# KiCad board ciaa_acc.kicad_pcb (continued)
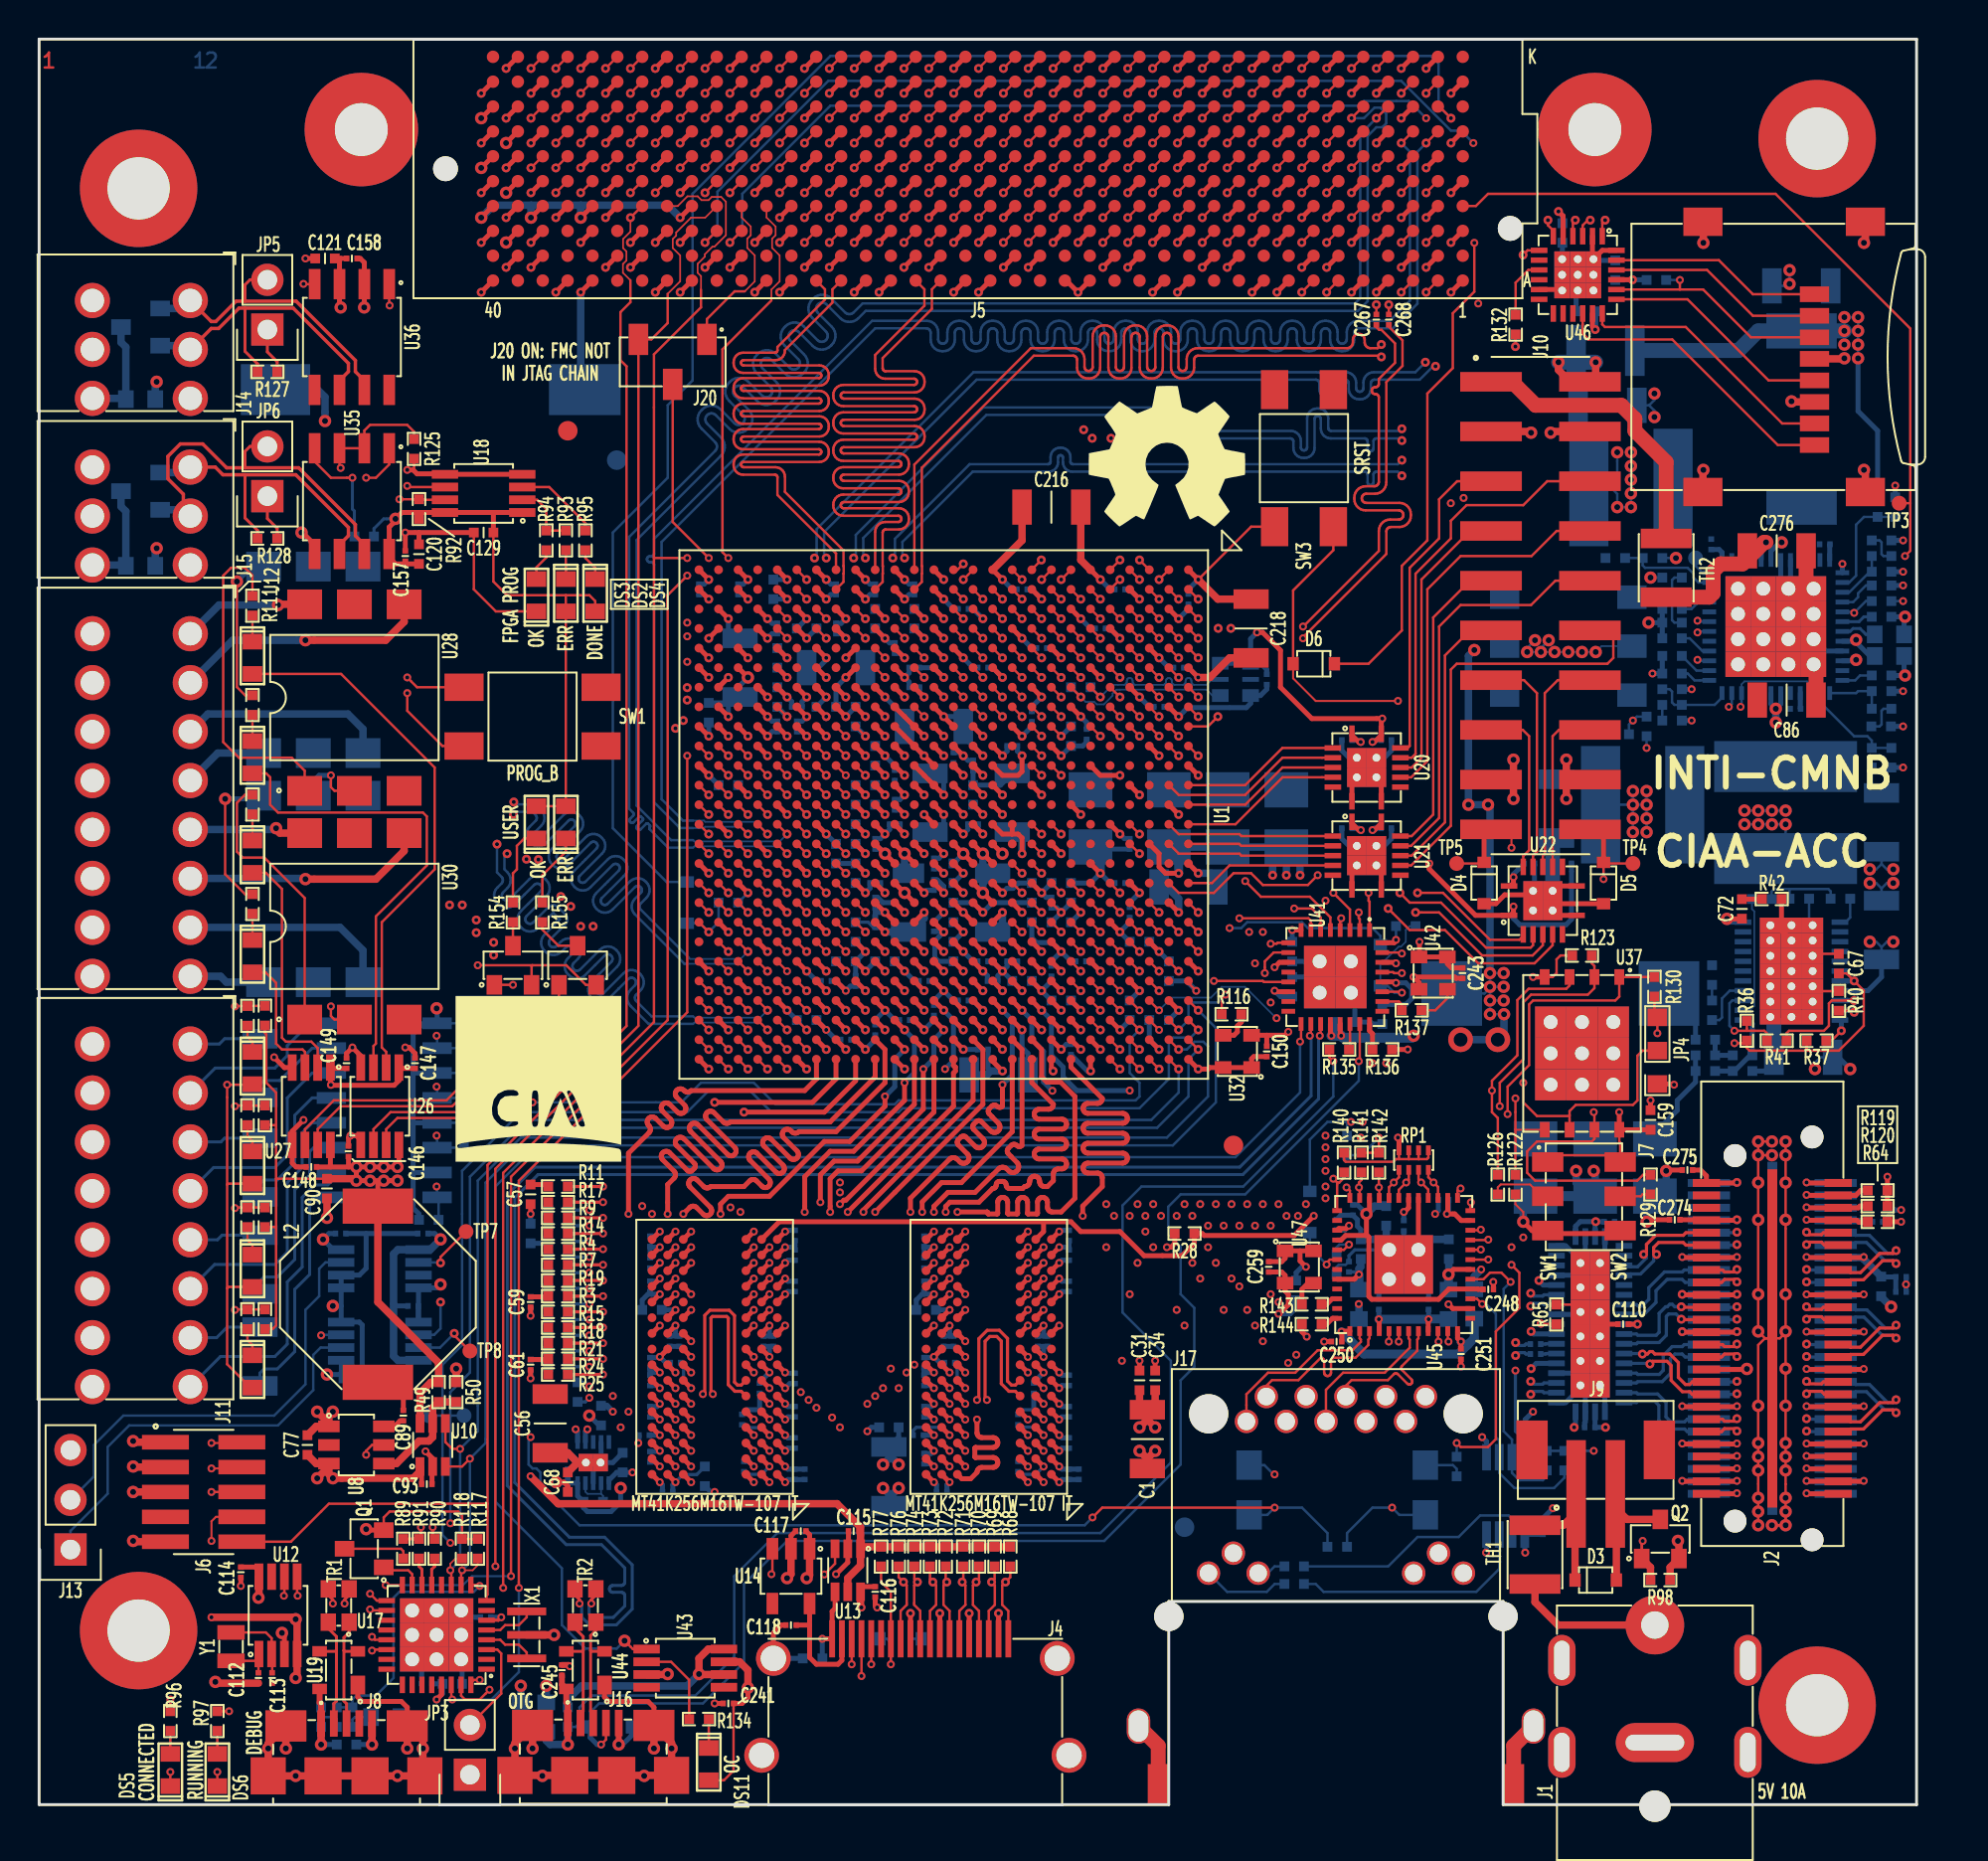
[diagram p0: board, top side]
## Routing (per net, layer and track width the routed paths; a pad name or vN(x,y) marks a point on that pad's centre or on a via; arc(x,y) is an arc through that point) (continued)
  TOP_L1.Sig w0.127: U1.AE15 v2(35.2,48.57) ; v2(32.74,86.13) 33.33,86.73 J5.H32
  L5.Sig w0.089: v2(35.2,48.57) 34.82,48.19 33.3,48.19 33.28,48.21 32.78,48.21 32.72,48.2 32.66,48.18 32.6,48.15 32.56,48.1 32.52,48.05 32.5,47.99 32.5,47.92 32.5,47.77 32.49,47.76 32.49,47.75 32.47,47.74 32.47,47.74 32.2,47.74 32.19,47.74 32.18,47.75 32.18,47.76 32.17,47.77 32.17,49.67 32.16,49.76 32.13,49.85 32.08,49.93 32.02,49.99 31.94,50.04 31.85,50.07 31.76,50.08 31.71,50.08 31.62,50.07 31.53,50.04 31.45,49.99 31.39,49.93 31.34,49.85 31.31,49.76 31.3,49.67 31.3,47.77 31.29,47.76 31.29,47.75 31.27,47.74 31.27,47.74 31,47.74 30.99,47.74 30.98,47.75 30.98,47.76 30.97,47.77 30.97,49.67 30.96,49.76 30.93,49.85 30.88,49.93 30.82,49.99 30.74,50.04 30.65,50.07 30.56,50.08 30.51,50.08 30.42,50.07 30.33,50.04 30.25,49.99 30.19,49.93 30.14,49.85 30.11,49.76 30.1,49.67 30.1,47.77 30.09,47.76 30.09,47.75 30.07,47.74 30.07,47.74 29.8,47.74 29.79,47.74 29.78,47.75 29.78,47.76 29.77,47.77 29.77,49.67 29.76,49.76 29.73,49.85 29.68,49.93 29.62,49.99 29.54,50.04 29.45,50.07 29.36,50.08 29.31,50.08 29.22,50.07 29.13,50.04 29.05,49.99 28.99,49.93 28.94,49.85 28.91,49.76 28.9,49.67 28.9,47.77 28.89,47.76 28.89,47.75 28.87,47.74 28.87,47.74 28.6,47.74 28.59,47.74 28.58,47.75 28.58,47.76 28.57,47.77 28.57,49.67 28.56,49.76 28.53,49.85 28.48,49.93 28.42,49.99 28.34,50.04 28.25,50.07 28.16,50.08 28.11,50.08 28.02,50.07 27.93,50.04 27.85,49.99 27.79,49.93 27.74,49.85 27.71,49.76 27.7,49.67 27.7,48.07 27.69,48.07 27.69,47.77 27.68,47.76 27.68,47.75 27.67,47.74 27.66,47.74 27.39,47.74 27.38,47.74 27.37,47.75 27.37,47.76 27.37,47.77 27.37,47.92 27.36,47.99 27.34,48.05 27.3,48.1 27.26,48.15 27.2,48.18 27.14,48.2 27.08,48.21 26.94,48.21 26.77,48.04 25.53,48.04 25.5,48.07 v2(25.5,48.27)
  L10.Sig w0.089: v2(32.74,86.13) 33.23,85.64 33.23,74.51 32.3,73.57 28.49,73.57 22.44,67.52 22.44,48.61 23.41,47.64 24.87,47.64 v2(25.5,48.27)
/Principal/BANKS_HR/FMC_LA_28_P: length 77.7
  TOP_L1.Sig w0.127: v2(34.01,86.13) 34.6,86.73 J5.H31 ; U1.AE16 v2(35.2,47.57)
  L5.Sig w0.089: v2(24.89,48.29) 25.42,47.76 26.89,47.76 27.06,47.93 27.07,47.93 27.08,47.92 27.09,47.91 27.09,47.91 27.09,47.75 27.09,47.68 27.11,47.62 27.15,47.57 27.19,47.52 27.25,47.49 27.31,47.47 27.37,47.46 27.68,47.46 27.74,47.47 27.8,47.49 27.86,47.52 27.9,47.57 27.94,47.62 27.96,47.68 27.97,47.75 27.97,48.07 27.97,48.07 27.97,49.64 27.98,49.68 27.99,49.71 28.01,49.74 28.03,49.77 28.07,49.79 28.1,49.8 28.13,49.8 28.17,49.8 28.2,49.79 28.23,49.77 28.26,49.74 28.28,49.71 28.29,49.68 28.3,49.64 28.3,47.75 28.3,47.68 28.32,47.62 28.36,47.57 28.4,47.52 28.46,47.49 28.52,47.47 28.58,47.46 28.89,47.46 28.95,47.47 29.01,47.49 29.07,47.52 29.11,47.57 29.15,47.62 29.17,47.68 29.17,47.75 29.17,49.64 29.18,49.68 29.19,49.71 29.21,49.74 29.23,49.77 29.27,49.79 29.3,49.8 29.33,49.8 29.37,49.8 29.4,49.79 29.43,49.77 29.46,49.74 29.48,49.71 29.49,49.68 29.5,49.64 29.5,47.75 29.5,47.68 29.52,47.62 29.56,47.57 29.6,47.52 29.66,47.49 29.72,47.47 29.78,47.46 30.09,47.46 30.15,47.47 30.21,47.49 30.27,47.52 30.31,47.57 30.35,47.62 30.37,47.68 30.37,47.75 30.37,49.64 30.38,49.68 30.39,49.71 30.41,49.74 30.43,49.77 30.47,49.79 30.5,49.8 30.53,49.8 30.57,49.8 30.6,49.79 30.63,49.77 30.66,49.74 30.68,49.71 30.69,49.68 30.7,49.64 30.7,47.75 30.7,47.68 30.72,47.62 30.76,47.57 30.8,47.52 30.86,47.49 30.92,47.47 30.98,47.46 31.29,47.46 31.35,47.47 31.41,47.49 31.47,47.52 31.51,47.57 31.55,47.62 31.57,47.68 31.57,47.75 31.57,49.64 31.58,49.68 31.59,49.71 31.61,49.74 31.63,49.77 31.67,49.79 31.7,49.8 31.73,49.8 31.77,49.8 31.8,49.79 31.83,49.77 31.86,49.74 31.88,49.71 31.89,49.68 31.9,49.64 31.9,47.75 31.9,47.68 31.92,47.62 31.96,47.57 32,47.52 32.06,47.49 32.12,47.47 32.18,47.46 32.49,47.46 32.55,47.47 32.61,47.49 32.67,47.52 32.71,47.57 32.75,47.62 32.77,47.68 32.77,47.75 32.77,47.91 32.78,47.92 32.78,47.93 32.79,47.93 32.8,47.93 33.29,47.93 33.3,47.95 34.82,47.95 v2(35.2,47.57)
  L10.Sig w0.089: v2(24.89,48.29) 24.89,48.03 24.78,47.92 23.52,47.92 22.72,48.73 22.72,67.41 28.6,73.29 32.41,73.29 33.51,74.39 33.51,75.78 33.52,75.82 33.53,75.86 33.55,75.89 33.58,75.92 33.61,75.94 33.65,75.95 33.69,75.96 33.71,75.96 33.75,75.96 33.78,75.97 33.82,76 33.84,76.02 33.87,76.06 33.88,76.09 33.88,76.13 33.88,76.17 33.87,76.21 33.84,76.24 33.82,76.27 33.78,76.29 33.75,76.3 33.71,76.31 33.69,76.31 33.65,76.31 33.61,76.32 33.58,76.35 33.55,76.37 33.53,76.41 33.52,76.44 33.51,76.48 33.51,85.64 v2(34.01,86.13)
/Principal/BANKS_HR/FMC_LA_29_N: length 77.7
  TOP_L1.Sig w0.127: U1.AB20 v2(38.2,43.57) ; v2(34.01,84.86) 34.6,85.46 J5.G31
  L10.Sig w0.089: v2(38.2,43.57) 37.83,43.94 33.81,43.94 33.8,43.93 32.95,43.93 32.88,43.94 32.82,43.96 32.77,43.99 32.72,44.04 32.69,44.09 32.67,44.15 32.66,44.22 32.66,44.37 32.66,44.38 32.65,44.39 32.64,44.4 32.63,44.4 32.36,44.4 32.35,44.4 32.34,44.39 32.34,44.38 32.34,44.37 32.34,41.78 32.33,41.68 32.3,41.6 32.25,41.52 32.18,41.45 32.1,41.4 32.02,41.37 31.92,41.36 31.87,41.36 31.78,41.37 31.69,41.4 31.62,41.45 31.55,41.52 31.5,41.6 31.47,41.68 31.46,41.78 31.46,43.77 31.46,43.81 31.44,43.84 31.42,43.87 31.4,43.9 31.37,43.91 31.33,43.93 31.3,43.93 31.18,43.93 29.94,45.18 29.91,45.2 29.88,45.21 29.84,45.22 29.81,45.22 29.77,45.21 29.74,45.2 29.71,45.18 29.4,44.86 29.32,44.8 29.24,44.76 29.15,44.74 29.06,44.74 28.97,44.76 28.88,44.8 28.81,44.86 28.78,44.9 28.72,44.97 28.68,45.05 28.66,45.14 28.66,45.24 28.68,45.33 28.72,45.41 28.78,45.48 29.09,45.8 29.11,45.83 29.13,45.86 29.14,45.89 29.14,45.93 29.13,45.96 29.11,46 29.09,46.02 29.06,46.05 29.03,46.06 28.99,46.07 28.96,46.07 28.92,46.06 28.89,46.05 28.86,46.02 28.41,45.57 28.33,45.51 28.25,45.47 28.16,45.45 28.07,45.45 27.98,45.47 27.89,45.51 27.82,45.57 27.79,45.6 27.73,45.68 27.69,45.76 27.67,45.85 27.67,45.94 27.69,46.03 27.73,46.12 27.79,46.19 28.24,46.65 28.26,46.67 28.28,46.71 28.29,46.74 28.29,46.78 28.28,46.81 28.26,46.84 28.24,46.87 28.21,46.9 28.18,46.91 28.15,46.92 28.11,46.92 28.07,46.91 28.04,46.9 28.01,46.87 27.66,46.52 27.59,46.47 27.51,46.43 27.42,46.4 27.33,46.4 27.23,46.43 27.15,46.47 27.08,46.52 27.04,46.56 26.99,46.63 26.94,46.72 26.92,46.81 26.92,46.9 26.94,46.99 26.99,47.07 27.04,47.15 27.39,47.49 27.41,47.52 27.43,47.55 27.44,47.59 27.44,47.63 27.43,47.66 27.41,47.69 27.39,47.72 27.36,47.74 27.33,47.76 27.3,47.77 27.26,47.77 27.23,47.76 27.19,47.74 27.17,47.72 25.93,46.49 25.86,46.43 25.78,46.39 25.69,46.37 25.59,46.37 25.5,46.39 25.42,46.43 25.35,46.49 25.31,46.52 25.25,46.6 25.21,46.68 25.19,46.77 25.19,46.86 25.21,46.95 25.25,47.04 25.31,47.11 26.54,48.34 26.57,48.37 26.58,48.4 26.59,48.44 26.59,48.47 26.58,48.51 26.57,48.54 26.54,48.57 26.39,48.73 26.38,48.73 26.37,48.74 26.36,48.74 26.35,48.74 26.34,48.74 26.33,48.73 26.32,48.73 26.2,48.61 26.15,48.57 26.09,48.54 26.02,48.53 25.95,48.53 25.88,48.54 25.82,48.57 25.77,48.61 25.58,48.8 25.54,48.85 25.51,48.91 25.49,48.98 25.49,49.05 25.51,49.12 25.54,49.18 25.58,49.24 25.7,49.35 25.7,49.36 25.71,49.37 25.71,49.38 25.71,49.39 25.71,49.4 25.7,49.41 25.7,49.42 24.04,49.42 23.2,50.26 23.2,67.14 28.87,72.81 33.57,72.81 33.88,73.12 33.91,73.16 33.93,73.2 33.94,73.24 33.94,73.29 33.93,73.33 33.91,73.37 33.88,73.41 33.81,73.47 33.79,73.51 33.77,73.55 33.76,73.59 33.76,73.63 33.77,73.68 33.79,73.72 33.81,73.75 33.85,73.78 33.89,73.8 33.93,73.81 33.98,73.81 34.02,73.8 34.06,73.78 34.1,73.75 34.16,73.69 34.2,73.66 34.24,73.64 34.28,73.63 34.33,73.63 34.37,73.64 34.41,73.66 34.45,73.69 34.5,73.75 34.5,84.37 v2(34.01,84.86)
/Principal/BANKS_HR/FMC_LA_29_P: length 77.7
  TOP_L1.Sig w0.127: U1.AA20 v2(39.2,43.57) ; J5.G30 35.87,85.46 v2(35.28,84.86)
  L10.Sig w0.089: v2(39.2,43.57) 38.58,44.19 33.82,44.19 33.8,44.21 32.96,44.21 32.95,44.21 32.94,44.22 32.94,44.23 32.94,44.23 32.94,44.39 32.93,44.46 32.91,44.52 32.88,44.57 32.83,44.62 32.78,44.65 32.72,44.67 32.65,44.68 32.35,44.68 32.28,44.67 32.22,44.65 32.17,44.62 32.12,44.57 32.09,44.52 32.07,44.46 32.06,44.39 32.06,41.8 32.06,41.77 32.04,41.73 32.02,41.7 32,41.68 31.97,41.66 31.93,41.65 31.9,41.64 31.86,41.65 31.83,41.66 31.8,41.68 31.77,41.7 31.75,41.73 31.74,41.77 31.74,41.8 31.74,43.8 31.73,43.89 31.7,43.98 31.65,44.05 31.58,44.12 31.5,44.17 31.42,44.2 31.32,44.21 31.3,44.21 30.12,45.39 30.04,45.45 29.96,45.49 29.87,45.51 29.78,45.51 29.69,45.49 29.6,45.45 29.53,45.39 29.22,45.08 29.19,45.05 29.16,45.04 29.12,45.03 29.09,45.03 29.05,45.04 29.02,45.05 28.99,45.08 28.97,45.11 28.95,45.14 28.94,45.17 28.94,45.21 28.95,45.24 28.97,45.28 28.99,45.3 29.3,45.62 29.36,45.69 29.4,45.77 29.42,45.86 29.42,45.96 29.4,46.05 29.36,46.13 29.3,46.2 29.27,46.24 29.2,46.3 29.11,46.34 29.02,46.36 28.93,46.36 28.84,46.34 28.76,46.3 28.68,46.24 28.23,45.78 28.2,45.76 28.17,45.75 28.13,45.74 28.1,45.74 28.06,45.75 28.03,45.76 28,45.78 27.98,45.81 27.96,45.84 27.95,45.88 27.95,45.92 27.96,45.95 27.98,45.98 28,46.01 28.46,46.47 28.51,46.54 28.55,46.62 28.57,46.71 28.57,46.81 28.55,46.9 28.51,46.98 28.46,47.05 28.42,47.09 28.35,47.15 28.26,47.19 28.17,47.21 28.08,47.21 27.99,47.19 27.91,47.15 27.83,47.09 27.49,46.74 27.46,46.72 27.42,46.7 27.39,46.69 27.35,46.69 27.32,46.7 27.29,46.72 27.26,46.74 27.24,46.77 27.22,46.8 27.21,46.83 27.21,46.87 27.22,46.91 27.24,46.94 27.26,46.97 27.61,47.31 27.67,47.39 27.71,47.47 27.73,47.56 27.73,47.65 27.71,47.74 27.67,47.83 27.61,47.9 27.57,47.94 27.5,47.99 27.42,48.03 27.33,48.06 27.23,48.06 27.14,48.03 27.06,47.99 26.99,47.94 25.75,46.7 25.72,46.68 25.69,46.67 25.66,46.66 25.62,46.66 25.59,46.67 25.55,46.68 25.53,46.7 25.5,46.73 25.49,46.76 25.48,46.8 25.48,46.83 25.49,46.87 25.5,46.9 25.53,46.93 26.76,48.16 26.82,48.24 26.86,48.32 26.88,48.41 26.88,48.5 26.86,48.59 26.82,48.68 26.76,48.75 26.57,48.94 26.52,48.98 26.45,49.01 26.39,49.03 26.32,49.03 26.25,49.01 26.19,48.98 26.13,48.94 26.02,48.82 26.01,48.82 26,48.81 25.99,48.81 25.98,48.81 25.97,48.81 25.96,48.82 25.95,48.82 25.79,48.98 25.79,48.99 25.78,49 25.78,49.01 25.78,49.02 25.78,49.03 25.79,49.04 25.79,49.05 25.91,49.16 25.95,49.22 25.98,49.28 26,49.35 26,49.42 25.98,49.49 25.95,49.55 25.91,49.6 25.81,49.7 24.16,49.7 23.48,50.38 23.48,67.03 28.99,72.53 33.68,72.53 34.78,73.63 34.78,84.37 v2(35.28,84.86)
/Principal/BANKS_HR/FMC_LA_30_N: length 77.7
  TOP_L1.Sig w0.127: J5.H35 29.52,86.73 v2(28.93,86.13) ; U1.AD15 v2(36.2,48.57)
  L3.Sig w0.089: v2(36.2,48.57) 35.82,48.19 33.9,48.19 33.88,48.21 30.56,48.21 29.98,47.63 29.92,47.56 29.88,47.48 29.86,47.39 29.86,47.29 29.88,47.2 29.92,47.12 29.98,47.05 30.37,46.66 30.4,46.63 30.41,46.59 30.42,46.56 30.42,46.52 30.41,46.49 30.4,46.46 30.37,46.43 30.35,46.41 30.31,46.39 30.28,46.38 30.24,46.38 30.21,46.39 30.18,46.41 30.15,46.43 26.76,49.81 26.69,49.87 26.61,49.91 26.52,49.93 26.42,49.93 26.33,49.91 26.25,49.87 26.18,49.81 26.14,49.78 26.08,49.7 26.04,49.62 26.02,49.53 26.02,49.44 26.04,49.35 26.08,49.26 26.14,49.19 29.53,45.81 29.55,45.78 29.56,45.75 29.57,45.71 29.57,45.68 29.56,45.64 29.55,45.61 29.53,45.58 29.5,45.56 29.47,45.54 29.43,45.53 29.39,45.53 29.36,45.54 29.33,45.56 29.3,45.58 28.91,45.97 28.83,46.03 28.75,46.07 28.66,46.09 28.57,46.09 28.48,46.07 28.39,46.03 28.32,45.97 27.84,45.49 27.84,45.04 v2(27.66,44.86)
  L10.Sig w0.089: v2(27.66,44.86) 27.54,44.97 23.79,44.97 20.91,47.85 20.91,68.41 27.6,75.1 28.62,75.1 29.42,75.9 29.42,75.94 29.41,75.97 29.39,76 29.36,76.03 29.33,76.05 29.3,76.06 29.26,76.07 28,76.07 27.91,76.08 27.82,76.11 27.74,76.16 27.67,76.22 27.62,76.3 27.59,76.39 27.58,76.48 27.58,76.53 27.59,76.62 27.62,76.71 27.67,76.79 27.74,76.85 27.82,76.9 27.91,76.93 28,76.94 29.26,76.94 29.3,76.95 29.33,76.96 29.36,76.98 29.39,77 29.41,77.04 29.42,77.07 29.42,77.1 29.42,85.64 v2(28.93,86.13)
/Principal/BANKS_HR/FMC_LA_30_P: length 77.7
  TOP_L1.Sig w0.127: v2(30.2,86.13) 30.79,86.73 J5.H34 ; U1.AD16 v2(36.2,47.57)
  L3.Sig w0.089: v2(28.29,44.86) 28.12,45.04 28.12,45.37 28.5,45.76 28.53,45.78 28.56,45.8 28.6,45.8 28.63,45.8 28.67,45.8 28.7,45.78 28.73,45.76 29.12,45.36 29.19,45.31 29.28,45.27 29.37,45.25 29.46,45.25 29.55,45.27 29.63,45.31 29.71,45.36 29.74,45.4 29.8,45.47 29.84,45.56 29.86,45.65 29.86,45.74 29.84,45.83 29.8,45.91 29.74,45.99 26.36,49.37 26.33,49.4 26.32,49.43 26.31,49.47 26.31,49.5 26.32,49.54 26.33,49.57 26.36,49.6 26.39,49.62 26.42,49.64 26.45,49.64 26.49,49.64 26.52,49.64 26.56,49.62 26.58,49.6 29.97,46.21 30.04,46.16 30.12,46.11 30.21,46.09 30.31,46.09 30.4,46.11 30.48,46.16 30.55,46.21 30.59,46.25 30.65,46.32 30.69,46.41 30.71,46.5 30.71,46.59 30.69,46.68 30.65,46.76 30.59,46.83 30.2,47.23 30.17,47.26 30.16,47.29 30.15,47.32 30.15,47.36 30.16,47.39 30.17,47.43 30.2,47.45 30.67,47.93 33.88,47.93 33.9,47.95 35.82,47.95 v2(36.2,47.57)
  L10.Sig w0.089: v2(30.2,86.13) 29.7,85.64 29.7,77.08 29.69,76.99 29.66,76.9 29.61,76.82 29.55,76.76 29.47,76.71 29.38,76.68 29.29,76.67 28.02,76.67 27.99,76.66 27.95,76.65 27.92,76.63 27.9,76.6 27.88,76.57 27.87,76.54 27.86,76.5 27.87,76.47 27.88,76.44 27.9,76.4 27.92,76.38 27.95,76.36 27.99,76.35 28.02,76.34 29.29,76.34 29.38,76.33 29.47,76.3 29.55,76.25 29.61,76.19 29.66,76.11 29.69,76.02 29.7,75.93 29.7,75.79 29.51,75.59 29.5,75.58 29.49,75.56 29.48,75.54 29.48,75.53 29.49,75.51 29.5,75.49 29.52,75.46 29.53,75.45 29.53,75.43 29.53,75.41 29.53,75.39 29.52,75.37 29.51,75.36 29.5,75.35 29.48,75.34 29.47,75.33 29.45,75.33 29.43,75.33 29.41,75.33 29.4,75.34 29.37,75.36 29.35,75.37 29.33,75.37 29.31,75.37 29.3,75.37 29.28,75.36 29.26,75.35 28.73,74.82 27.72,74.82 21.19,68.3 21.19,47.96 23.91,45.25 27.9,45.25 v2(28.29,44.86)
/Principal/BANKS_HR/FMC_LA_31_N: length 77.7
  TOP_L1.Sig w0.127: U1.AD19 v2(36.2,44.57) ; J5.G34 30.79,85.46 v2(30.2,84.86)
  L5.Sig w0.089: v2(27.15,45.88) 28.15,45.88 29.1,44.93 29.3,44.93 29.34,44.93 29.37,44.91 29.4,44.9 29.43,44.87 29.44,44.84 29.46,44.81 29.46,44.77 29.46,43.76 29.47,43.67 29.5,43.58 29.55,43.5 29.62,43.44 29.69,43.39 29.78,43.36 29.87,43.35 29.93,43.35 30.02,43.36 30.11,43.39 30.18,43.44 30.25,43.5 30.3,43.58 30.33,43.67 30.34,43.76 30.34,46.25 30.34,46.29 30.36,46.32 30.37,46.35 30.4,46.38 30.43,46.4 30.46,46.41 30.5,46.41 30.54,46.41 30.57,46.4 30.6,46.38 30.63,46.35 30.64,46.32 30.66,46.29 30.66,46.25 30.66,43.76 30.67,43.67 30.7,43.58 30.75,43.5 30.82,43.44 30.89,43.39 30.98,43.36 31.07,43.35 31.13,43.35 31.22,43.36 31.31,43.39 31.38,43.44 31.45,43.5 31.5,43.58 31.53,43.67 31.54,43.76 31.54,46.25 31.54,46.29 31.56,46.32 31.57,46.35 31.6,46.38 31.63,46.4 31.66,46.41 31.7,46.41 31.74,46.41 31.77,46.4 31.8,46.38 31.83,46.35 31.84,46.32 31.86,46.29 31.86,46.25 31.86,43.76 31.87,43.67 31.9,43.58 31.95,43.5 32.02,43.44 32.09,43.39 32.18,43.36 32.27,43.35 32.33,43.35 32.42,43.36 32.51,43.39 32.58,43.44 32.65,43.5 32.7,43.58 32.73,43.67 32.74,43.76 32.74,44.77 32.74,44.81 32.76,44.84 32.77,44.87 32.8,44.9 32.83,44.91 32.86,44.93 32.9,44.93 33.5,44.93 33.52,44.95 35.82,44.95 v2(36.2,44.57)
  L10.Sig w0.089: v2(30.2,84.86) 30.69,84.37 30.69,76.94 30.69,76.91 30.68,76.87 30.66,76.84 30.63,76.82 30.6,76.8 30.57,76.79 30.53,76.78 30.32,76.78 30.23,76.77 30.14,76.74 30.06,76.69 29.99,76.63 29.94,76.55 29.91,76.46 29.9,76.37 29.9,76.32 29.91,76.23 29.94,76.14 29.99,76.06 30.06,75.99 30.14,75.94 30.23,75.91 30.32,75.9 32.37,75.9 32.41,75.9 32.44,75.89 32.47,75.87 32.5,75.84 32.52,75.81 32.53,75.78 32.53,75.74 32.53,75.71 32.52,75.67 32.5,75.64 32.47,75.62 32.44,75.6 32.41,75.59 32.37,75.58 31.11,75.58 31.02,75.57 30.93,75.54 30.85,75.49 30.78,75.43 30.73,75.35 30.7,75.26 30.69,75.17 30.69,75.14 29.89,74.34 28.11,74.34 21.68,67.9 21.68,48.23 24.04,45.86 27.14,45.86 v2(27.15,45.88)
/Principal/BANKS_HR/FMC_LA_31_P: length 77.7
  TOP_L1.Sig w0.127: v2(31.47,84.86) 32.06,85.46 J5.G33 ; U1.AD18 v2(36.2,45.57)
  L5.Sig w0.089: v2(36.2,45.57) 35.82,45.19 33.52,45.19 33.5,45.21 32.87,45.21 32.78,45.2 32.69,45.17 32.62,45.12 32.55,45.05 32.5,44.98 32.47,44.89 32.46,44.8 32.46,43.79 32.46,43.75 32.44,43.72 32.43,43.69 32.4,43.66 32.37,43.64 32.34,43.63 32.3,43.63 32.26,43.63 32.23,43.64 32.2,43.66 32.17,43.69 32.16,43.72 32.14,43.75 32.14,43.79 32.14,46.28 32.13,46.37 32.1,46.46 32.05,46.54 31.98,46.6 31.91,46.65 31.82,46.68 31.73,46.69 31.67,46.69 31.58,46.68 31.49,46.65 31.42,46.6 31.35,46.54 31.3,46.46 31.27,46.37 31.26,46.28 31.26,43.79 31.26,43.75 31.24,43.72 31.23,43.69 31.2,43.66 31.17,43.64 31.14,43.63 31.1,43.63 31.06,43.63 31.03,43.64 31,43.66 30.97,43.69 30.96,43.72 30.94,43.75 30.94,43.79 30.94,46.28 30.93,46.37 30.9,46.46 30.85,46.54 30.78,46.6 30.71,46.65 30.62,46.68 30.53,46.69 30.47,46.69 30.38,46.68 30.29,46.65 30.22,46.6 30.15,46.54 30.1,46.46 30.07,46.37 30.06,46.28 30.06,43.79 30.06,43.75 30.04,43.72 30.03,43.69 30,43.66 29.97,43.64 29.94,43.63 29.9,43.63 29.86,43.63 29.83,43.64 29.8,43.66 29.77,43.69 29.76,43.72 29.74,43.75 29.74,43.79 29.74,44.8 29.73,44.89 29.7,44.98 29.65,45.05 29.58,45.12 29.51,45.17 29.42,45.2 29.33,45.21 29.21,45.21 28.28,46.14 27.52,46.14 27.28,46.38 v2(26.64,46.38)
  L10.Sig w0.089: v2(31.47,84.86) 30.97,84.37 30.97,76.92 30.96,76.83 30.93,76.74 30.88,76.66 30.82,76.59 30.74,76.54 30.65,76.51 30.56,76.5 30.34,76.5 30.31,76.5 30.27,76.49 30.24,76.47 30.22,76.44 30.2,76.41 30.19,76.38 30.18,76.34 30.19,76.31 30.2,76.27 30.22,76.24 30.24,76.22 30.27,76.2 30.31,76.19 30.34,76.18 32.4,76.18 32.49,76.17 32.58,76.14 32.66,76.09 32.72,76.03 32.77,75.95 32.8,75.86 32.81,75.77 32.81,75.72 32.8,75.63 32.77,75.54 32.72,75.46 32.66,75.39 32.58,75.34 32.49,75.31 32.4,75.3 31.13,75.3 31.1,75.3 31.06,75.29 31.03,75.27 31.01,75.24 30.99,75.21 30.98,75.18 30.97,75.14 30.97,75.03 30.83,74.89 30.82,74.87 30.81,74.85 30.8,74.83 30.8,74.81 30.81,74.78 30.82,74.76 30.83,74.75 30.85,74.73 30.86,74.71 30.87,74.69 30.88,74.67 30.88,74.65 30.87,74.63 30.86,74.61 30.85,74.59 30.83,74.57 30.81,74.56 30.79,74.56 30.77,74.56 30.75,74.56 30.73,74.57 30.71,74.59 30.69,74.6 30.67,74.62 30.65,74.63 30.63,74.63 30.61,74.63 30.59,74.63 30.57,74.62 30.55,74.6 30,74.06 28.22,74.06 21.96,67.79 21.96,48.35 24.16,46.14 26.4,46.14 v2(26.64,46.38)
/Principal/BANKS_HR/FMC_LA_32_N: length 77.7
  TOP_L1.Sig w0.127: J5.H38 25.71,86.73 v2(25.12,86.13) ; U1.AC19 v2(37.2,44.57)
  L3.Sig w0.089: v2(23.21,43.39) 23.4,43.58 25.31,43.58 25.7,43.2 30.64,43.2 32.37,44.93 33.98,44.93 34,44.95 36.82,44.95 v2(37.2,44.57)
  L10.Sig w0.089: v2(23.21,43.39) 23.03,43.58 21,43.58 19.39,45.18 19.39,71.74 20.05,72.4 20.12,72.45 20.2,72.49 20.29,72.51 20.38,72.51 20.47,72.49 20.55,72.45 20.62,72.4 20.76,72.26 20.79,72.23 20.82,72.22 20.86,72.21 20.9,72.21 20.94,72.22 20.97,72.23 21,72.26 21.03,72.29 21.05,72.32 21.05,72.36 21.05,72.4 21.05,72.44 21.03,72.47 21,72.51 20.32,73.19 20.26,73.26 20.22,73.34 20.2,73.43 20.2,73.52 20.22,73.61 20.26,73.69 20.32,73.76 20.35,73.79 20.42,73.85 20.5,73.89 20.59,73.91 20.68,73.91 20.77,73.89 20.85,73.85 20.92,73.79 21.6,73.11 21.63,73.08 21.67,73.06 21.71,73.06 21.75,73.06 21.79,73.06 21.82,73.08 21.85,73.11 21.88,73.14 21.89,73.17 21.9,73.21 21.9,73.25 21.89,73.29 21.88,73.32 21.85,73.35 21.17,74.04 21.11,74.11 21.07,74.19 21.05,74.28 21.05,74.37 21.07,74.45 21.11,74.54 21.17,74.61 21.2,74.64 21.27,74.7 21.35,74.73 21.44,74.75 21.53,74.75 21.62,74.73 21.7,74.7 21.77,74.64 22.45,73.95 22.48,73.93 22.52,73.91 22.56,73.9 22.6,73.9 22.63,73.91 22.67,73.93 22.7,73.95 22.73,73.98 22.74,74.02 22.75,74.06 22.75,74.1 22.74,74.14 22.73,74.17 22.7,74.2 22.01,74.89 21.96,74.96 21.92,75.04 21.9,75.13 21.9,75.22 21.92,75.3 21.96,75.38 22.01,75.45 22.05,75.49 22.12,75.54 22.2,75.58 22.29,75.6 22.38,75.6 22.46,75.58 22.55,75.54 22.62,75.49 23.3,74.8 23.33,74.78 23.37,74.76 23.41,74.75 23.44,74.75 23.48,74.76 23.52,74.78 23.55,74.8 23.57,74.83 23.59,74.87 23.6,74.91 23.6,74.95 23.59,74.98 23.57,75.02 23.55,75.05 22.86,75.74 22.81,75.81 22.77,75.89 22.75,75.97 22.75,76.06 22.77,76.15 22.81,76.23 22.86,76.3 22.9,76.34 22.97,76.39 23.05,76.43 23.14,76.45 23.23,76.45 23.31,76.43 23.39,76.39 23.46,76.34 24.15,75.65 24.18,75.63 24.22,75.61 24.25,75.6 24.29,75.6 24.33,75.61 24.37,75.63 24.4,75.65 24.42,75.68 24.44,75.72 24.45,75.76 24.45,75.79 24.44,75.83 24.42,75.87 24.4,75.9 23.71,76.59 23.66,76.66 23.62,76.74 23.6,76.82 23.6,76.91 23.62,77 23.66,77.08 23.71,77.15 23.75,77.19 23.82,77.24 23.9,77.28 23.98,77.3 24.07,77.3 24.16,77.28 24.24,77.24 24.31,77.19 24.45,77.05 24.48,77.02 24.52,77 24.56,77 24.6,77 24.63,77 24.67,77.02 24.7,77.05 25.61,77.96 25.61,85.64 v2(25.12,86.13)
/Principal/BANKS_HR/FMC_LA_32_P: length 77.7
  TOP_L1.Sig w0.127: U1.AC18 v2(37.2,45.57) ; v2(26.39,86.13) 26.98,86.73 J5.H37
  L3.Sig w0.089: v2(37.2,45.57) 36.82,45.19 34,45.19 33.98,45.21 32.26,45.21 30.52,43.47 25.81,43.47 25.43,43.86 23.4,43.86 v2(23.21,44.04)
  L10.Sig w0.089: v2(26.39,86.13) 25.89,85.64 25.89,77.89 25.63,77.62 25.6,77.59 25.58,77.55 25.58,77.52 25.58,77.48 25.58,77.44 25.6,77.4 25.63,77.37 25.65,77.35 25.67,77.32 25.69,77.28 25.7,77.25 25.7,77.21 25.69,77.17 25.67,77.13 25.65,77.1 25.62,77.08 25.58,77.06 25.55,77.05 25.51,77.05 25.47,77.06 25.43,77.08 25.4,77.1 25.38,77.13 25.35,77.15 25.31,77.17 25.27,77.18 25.24,77.18 25.2,77.17 25.16,77.15 25.13,77.13 24.86,76.85 24.79,76.8 24.71,76.76 24.62,76.74 24.53,76.74 24.44,76.76 24.36,76.8 24.29,76.85 24.15,76.99 24.12,77.02 24.09,77.03 24.05,77.04 24.01,77.04 23.97,77.03 23.94,77.02 23.91,76.99 23.88,76.96 23.86,76.93 23.85,76.89 23.85,76.85 23.86,76.81 23.88,76.77 23.91,76.74 24.59,76.06 24.65,75.99 24.69,75.91 24.71,75.82 24.71,75.73 24.69,75.64 24.65,75.56 24.59,75.49 24.56,75.46 24.49,75.4 24.41,75.36 24.32,75.34 24.23,75.34 24.14,75.36 24.06,75.4 23.99,75.46 23.31,76.14 23.27,76.17 23.24,76.19 23.2,76.19 23.16,76.19 23.12,76.19 23.09,76.17 23.06,76.14 23.03,76.11 23.02,76.08 23.01,76.04 23.01,76 23.02,75.96 23.03,75.93 23.06,75.9 23.74,75.21 23.8,75.14 23.84,75.06 23.86,74.97 23.86,74.88 23.84,74.79 23.8,74.71 23.74,74.64 23.71,74.61 23.64,74.55 23.56,74.51 23.47,74.49 23.38,74.49 23.29,74.51 23.21,74.55 23.14,74.61 22.46,75.3 22.43,75.32 22.39,75.34 22.35,75.35 22.31,75.35 22.27,75.34 22.24,75.32 22.21,75.3 22.18,75.26 22.17,75.23 22.16,75.19 22.16,75.15 22.17,75.11 22.18,75.08 22.21,75.05 22.89,74.36 22.95,74.29 22.99,74.21 23.01,74.12 23.01,74.03 22.99,73.95 22.95,73.87 22.89,73.8 22.86,73.76 22.79,73.7 22.71,73.67 22.62,73.65 22.53,73.65 22.44,73.67 22.36,73.7 22.29,73.76 21.61,74.45 21.58,74.47 21.54,74.49 21.5,74.5 21.46,74.5 21.43,74.49 21.39,74.47 21.36,74.45 21.34,74.42 21.32,74.38 21.31,74.34 21.31,74.3 21.32,74.26 21.34,74.23 21.36,74.2 22.05,73.51 22.1,73.44 22.14,73.36 22.16,73.27 22.16,73.18 22.14,73.1 22.1,73.02 22.05,72.95 22.01,72.91 21.94,72.86 21.86,72.82 21.77,72.8 21.68,72.8 21.6,72.82 21.52,72.86 21.45,72.91 20.76,73.6 20.73,73.62 20.69,73.64 20.65,73.65 20.62,73.65 20.58,73.64 20.54,73.62 20.51,73.6 20.49,73.57 20.47,73.53 20.46,73.49 20.46,73.45 20.47,73.42 20.49,73.38 20.51,73.35 21.2,72.66 21.25,72.59 21.29,72.51 21.31,72.43 21.31,72.34 21.29,72.25 21.25,72.17 21.2,72.1 21.16,72.06 21.09,72.01 21.01,71.97 20.92,71.95 20.83,71.95 20.75,71.97 20.67,72.01 20.6,72.06 20.46,72.2 20.43,72.23 20.39,72.24 20.35,72.25 20.31,72.25 20.28,72.24 20.24,72.23 20.21,72.2 19.67,71.66 19.67,45.3 21.11,43.86 23.03,43.86 v2(23.21,44.04)
/Principal/BANKS_HR/FMC_LA_33_N: length 77.7
  TOP_L1.Sig w0.127: U1.AF17 v2(34.2,46.57) ; J5.G37 26.98,85.46 v2(26.39,84.86)
  L3.Sig w0.089: v2(34.2,46.57) 33.8,46.57 33.44,46.93 31.96,46.93 31.89,46.86 31.84,46.82 31.78,46.79 31.72,46.78 31.66,46.78 31.6,46.79 31.55,46.82 31.5,46.86 31.39,46.97 31.38,46.97 31.38,46.97 31.16,46.76 31.16,46.75 31.16,46.74 31.98,45.93 32.04,45.85 32.08,45.77 32.1,45.68 32.1,45.59 32.08,45.5 32.04,45.41 31.98,45.34 31.94,45.3 31.87,45.25 31.79,45.21 31.7,45.18 31.6,45.18 31.51,45.21 31.43,45.25 31.36,45.3 30.96,45.7 30.93,45.73 30.9,45.74 30.86,45.75 30.83,45.75 30.79,45.74 30.76,45.73 30.73,45.7 30.71,45.68 30.69,45.64 30.69,45.61 30.69,45.57 30.69,45.54 30.71,45.5 30.73,45.48 31.13,45.08 31.19,45 31.23,44.92 31.25,44.83 31.25,44.74 31.23,44.65 31.19,44.56 31.13,44.49 31.1,44.46 31.02,44.4 30.94,44.36 30.85,44.34 30.76,44.34 30.67,44.36 30.58,44.4 30.51,44.46 30.11,44.85 30.08,44.88 30.05,44.89 30.01,44.9 29.98,44.9 29.94,44.89 29.91,44.88 29.88,44.85 28.99,43.96 26.33,43.96 25.57,44.72 25.54,44.72 25.45,44.73 25.36,44.76 25.28,44.81 25.22,44.88 25.17,44.95 25.14,45.04 25.13,45.13 25.13,47.1 25.12,47.13 25.11,47.17 25.09,47.2 25.07,47.22 25.04,47.24 25,47.25 24.97,47.26 24.93,47.25 24.9,47.24 24.87,47.22 24.84,47.2 24.82,47.17 24.81,47.13 24.81,47.1 24.81,44.45 24.8,44.37 24.77,44.29 24.73,44.22 24.67,44.16 24.6,44.12 24.52,44.09 24.44,44.08 24.3,44.08 24.21,44.09 24.14,44.12 24.07,44.16 24.01,44.22 23.96,44.29 23.94,44.37 23.93,44.45 23.93,44.61 23.93,44.63 23.92,44.66 23.9,44.68 23.89,44.7 23.87,44.71 23.84,44.72 23.82,44.72 22.51,44.72 v2(22.32,44.54)
  L10.Sig w0.089: v2(22.32,44.54) 22.14,44.72 21,44.72 20.15,45.56 20.15,68.79 22.46,71.1 22.48,71.13 22.5,71.16 22.5,71.19 22.5,71.23 22.5,71.26 22.48,71.3 22.46,71.32 22.2,71.58 22.14,71.65 22.1,71.74 22.08,71.83 22.08,71.92 22.1,72.01 22.14,72.09 22.2,72.17 22.24,72.2 22.31,72.26 22.39,72.3 22.48,72.32 22.58,72.32 22.67,72.3 22.75,72.26 22.82,72.2 23.08,71.95 23.11,71.92 23.14,71.91 23.17,71.9 23.21,71.9 23.25,71.91 23.28,71.92 23.31,71.95 23.33,71.97 23.34,72.01 23.35,72.04 23.35,72.08 23.34,72.11 23.33,72.15 23.31,72.17 23.05,72.43 22.99,72.5 22.95,72.58 22.93,72.67 22.93,72.77 22.95,72.86 22.99,72.94 23.05,73.01 23.09,73.05 23.16,73.11 23.24,73.15 23.33,73.17 23.43,73.17 23.52,73.15 23.6,73.11 23.67,73.05 23.93,72.79 23.96,72.77 23.99,72.76 24.02,72.75 24.06,72.75 24.09,72.76 24.13,72.77 24.15,72.79 24.18,72.82 24.19,72.86 24.2,72.89 24.2,72.93 24.19,72.96 24.18,72.99 24.15,73.02 23.9,73.28 23.84,73.35 23.8,73.43 23.78,73.52 23.78,73.62 23.8,73.71 23.84,73.79 23.9,73.86 23.94,73.9 24.01,73.96 24.09,74 24.18,74.02 24.27,74.02 24.37,74 24.45,73.96 24.52,73.9 24.78,73.64 24.8,73.62 24.84,73.61 24.87,73.6 24.91,73.6 24.94,73.61 24.97,73.62 25,73.64 25.03,73.67 25.04,73.7 25.05,73.74 25.05,73.77 25.04,73.81 25.03,73.84 25,73.87 24.75,74.13 24.69,74.2 24.65,74.28 24.63,74.37 24.63,74.46 24.65,74.55 24.69,74.64 24.75,74.71 24.78,74.75 24.86,74.8 24.94,74.85 25.03,74.87 25.12,74.87 25.21,74.85 25.3,74.8 25.37,74.75 25.62,74.49 25.65,74.47 25.69,74.45 25.72,74.45 25.76,74.45 25.79,74.45 25.82,74.47 25.85,74.49 25.87,74.52 25.89,74.55 25.9,74.59 25.9,74.62 25.89,74.66 25.87,74.69 25.85,74.72 25.6,74.97 25.54,75.05 25.5,75.13 25.48,75.22 25.48,75.31 25.5,75.4 25.54,75.49 25.6,75.56 25.63,75.6 25.7,75.65 25.79,75.69 25.88,75.71 25.97,75.71 26.06,75.69 26.15,75.65 26.22,75.6 26.47,75.34 26.5,75.32 26.53,75.3 26.57,75.29 26.6,75.29 26.64,75.3 26.67,75.32 26.7,75.34 26.88,75.52 26.88,76.06 26.88,76.11 26.86,76.15 26.84,76.19 26.81,76.22 26.77,76.24 26.73,76.26 26.68,76.26 26.59,76.26 26.54,76.27 26.5,76.28 26.46,76.31 26.43,76.34 26.4,76.38 26.39,76.42 26.39,76.46 26.39,76.51 26.4,76.55 26.43,76.59 26.46,76.62 26.5,76.64 26.54,76.66 26.59,76.66 26.68,76.66 26.73,76.67 26.77,76.68 26.81,76.71 26.84,76.74 26.86,76.78 26.88,76.82 26.88,76.86 26.88,84.37 v2(26.39,84.86)
